# Altium PCB Enigma Rev B.PcbDoc (part 3 of 8) (continued)
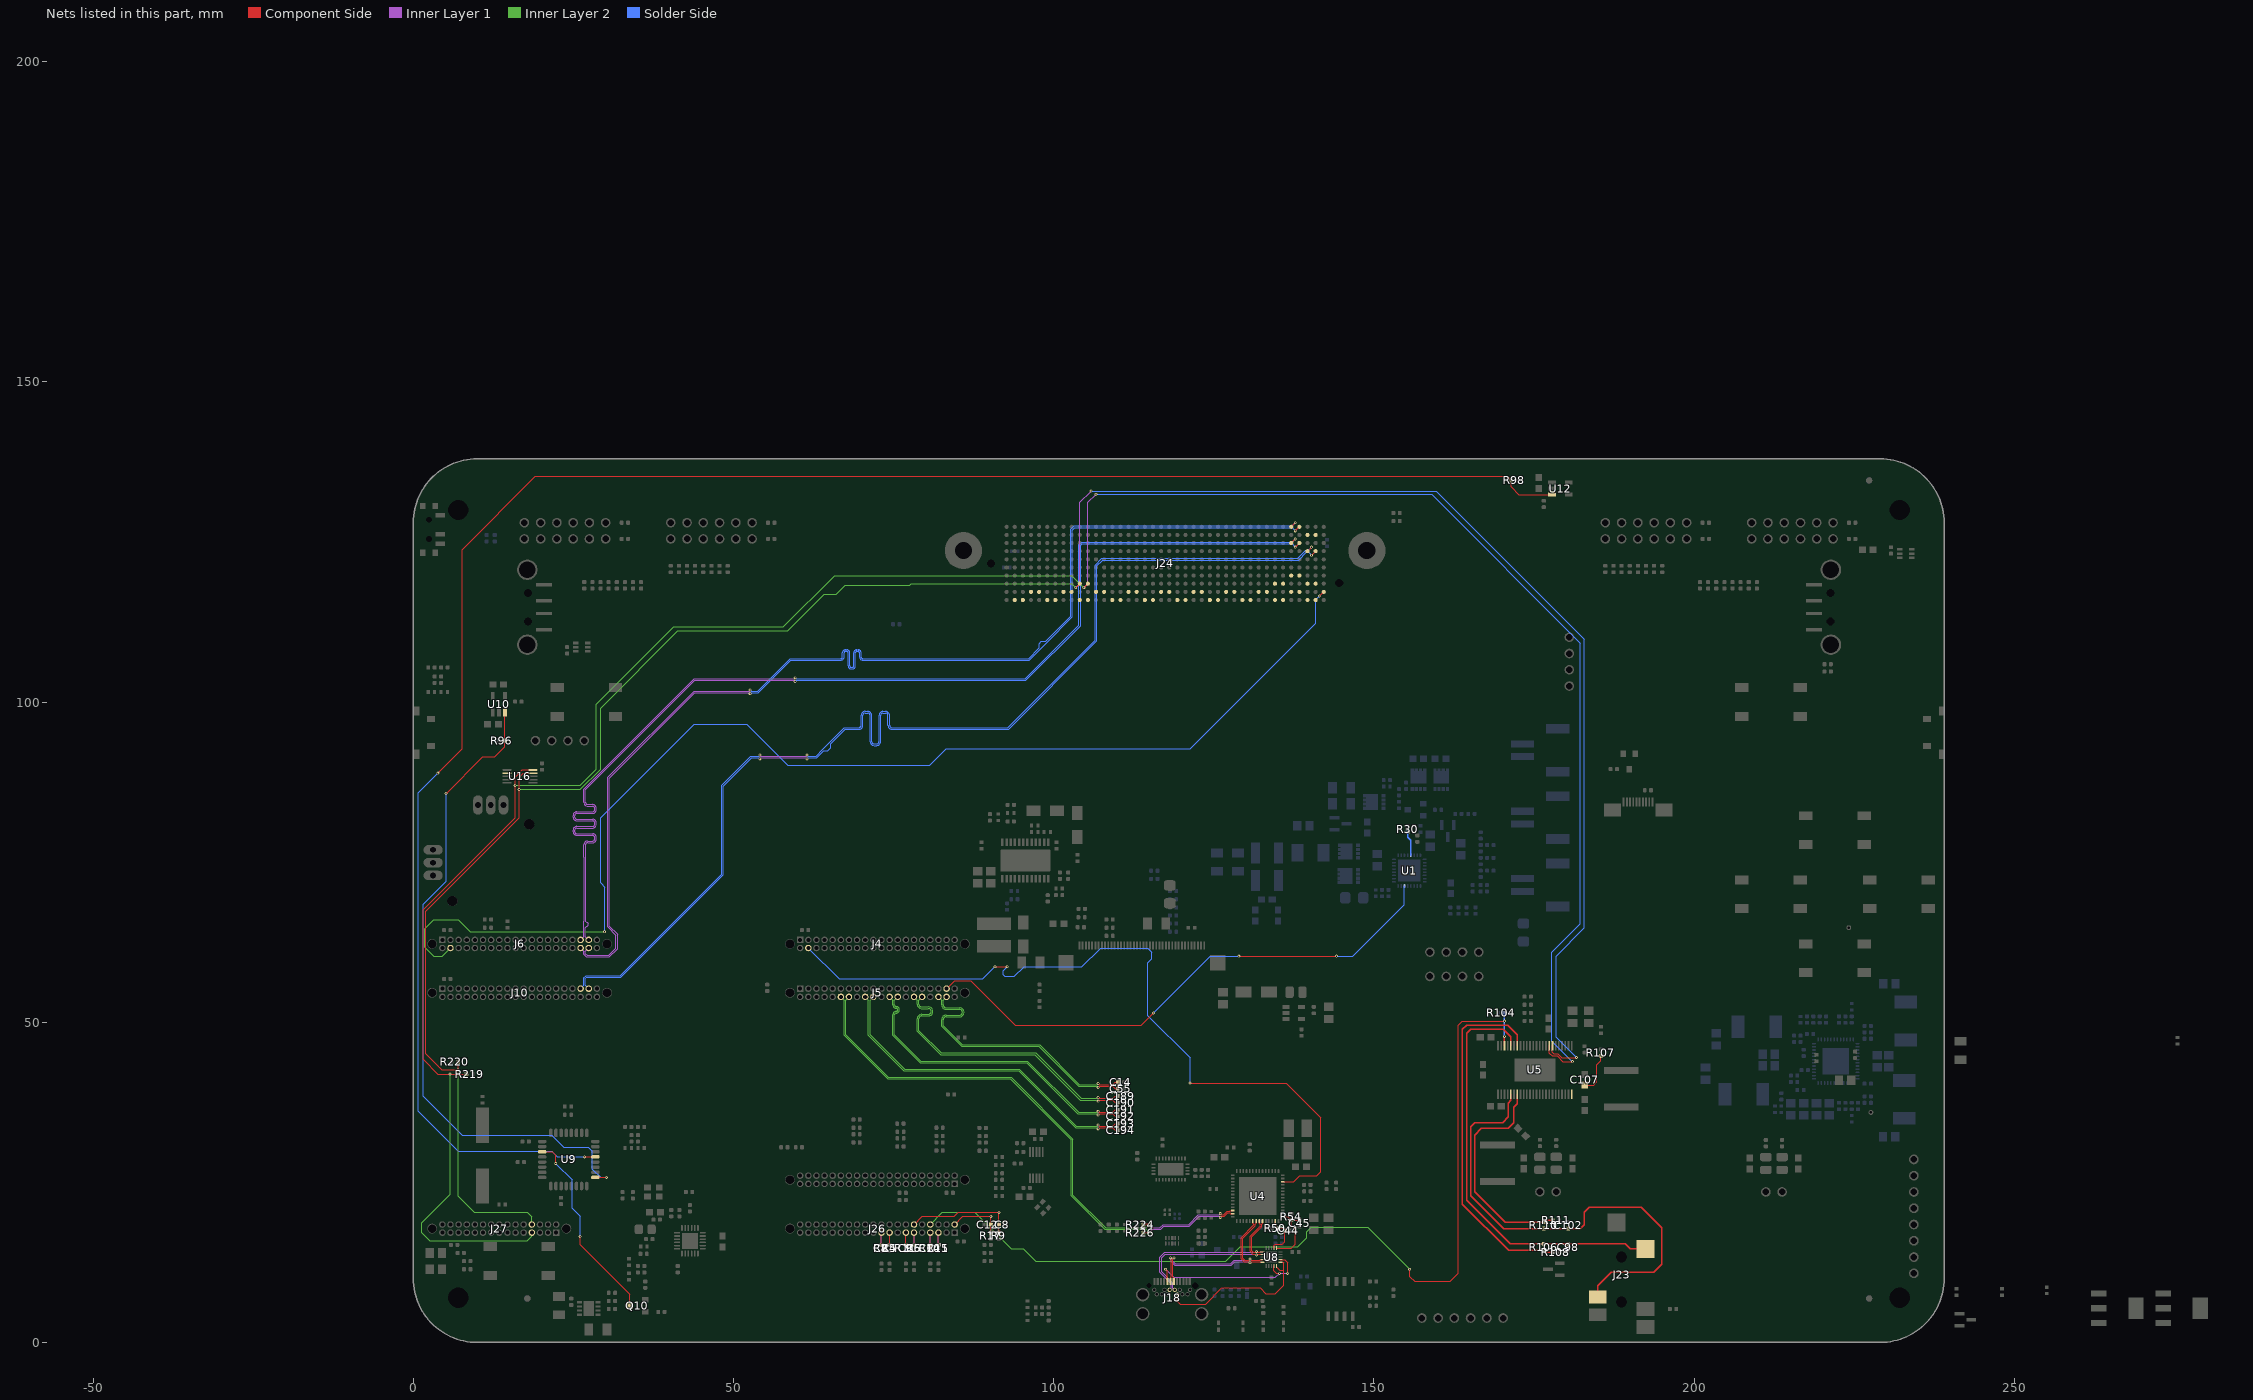
[diagram p7: the nets of this part, all layers, seen from the top]
## Part data (continued)
U20: "IC LOAD SWITCH CURR LIMIT 8-MLP", Current - Output (Max)=2A, Manufacturer="Fairchild Semiconductor", Manufacturer Part Number=FPF2700MPX, Operating Temperature="-40°C ~ 85°C (TA)", Package / Case="8-WDFN Exposed Pad", Supplier Device Package="8-MLP (3x3)", Supplier Part Number 1=FPF2700MPXCT-ND, Voltage - Load="2.8 V ~ 36 V", Voltage - Supply (Vcc/Vdd)="Not Required", Category="Integrated Circuits (ICs)", ComponentLink1Description=http://www.fairchildsemi.com/datasheets/FP/FPF2700.pdf, ComponentLink1URL=http://www.fairchildsemi.com/datasheets/FP/FPF2700.pdf, Fault Protection="Current Limiting (Adjustable), Over Temperature, UVLO", Features="Auto Restart, Power Good, Slew Rate Controlled, Status Flag", Input Type=Non-Inverting, Interface=On/Off, Number of Outputs=1, Output Configuration="High Side", Output Type=N-Channel, Packaging="Cut Tape (CT)", Pricing 1="1=2.71, 10=2.43, 100=1.9491, 500=1.602, 1000=1.3261 (USD)", Ratio - Input:Output=1:1, Rds On (Typ)="88 mOhm", RoHS="RoHS Compliant", Stock 1=7665, Supplier 1=Digi-Key, Switch Type="General Purpose"
U21: "IC REG BUCK ADJ 4A/2A QD 48VQFN", Current - Output="4A, 2A", Frequency - Switching="275kHz ~ 2.2MHz", Manufacturer="Texas Instruments", Manufacturer Part Number=TPS65400RGZR, Operating Temperature="-40°C ~ 125°C (TJ)", Package / Case="48-VFQFN Exposed Pad", Supplier Device Package="48-VQFN (7x7)", Supplier Part Number 1=296-40902-1-ND, Voltage - Input (Max)=18V, Voltage - Input (Min)=4.5V, Voltage - Output (Max)=16.2V, Voltage - Output (Min/Fixed)=0.6V, Category="Integrated Circuits (ICs)", ComponentLink1Description=http://www.ti.com/lit/ds/symlink/tps65400.pdf, ComponentLink1URL=http://www.ti.com/lit/ds/symlink/tps65400.pdf, Function=Step-Down, Mounting Type="Surface Mount", Number of Outputs=4, Output Configuration=Positive, Output Type=Adjustable, Packaging="Cut Tape (CT)", Part Status=Active, Pricing 1="1=5.16, 10=4.633, 100=3.7961, 500=3.23152, 1000=2.72538 (USD)", RoHS="RoHS Compliant", Stock 1=2343, Supplier 1=Digi-Key, Synchronous Rectifier=Yes, Topology=Buck
U22 U23: library part U_LD117STR, "IC REG LDO ADJ 950MA SOT-223", Current - Limit (Min)=-, Current - Output=950mA, Manufacturer=STMicroelectronics, Manufacturer Part Number=LD1117STR, Operating Temperature="0°C ~ 125°C", Package / Case="TO-261-4, TO-261AA", Supplier Device Package=SOT-223, Supplier Part Number 1=497-1244-1-ND, Voltage - Dropout (Typical)="1.1V @ 800mA", Voltage - Input="Up to 15V", Voltage - Output="1.25 V ~ 15 V", Category="Integrated Circuits (ICs)", ComponentLink1Description=http://www.st.com/internet/com/TECHNICAL_RESOURCES/TECHNICAL_LITERATURE/DATASHEET/CD00000544.pdf, ComponentLink1URL=http://www.st.com/internet/com/TECHNICAL_RESOURCES/TECHNICAL_LITERATURE/DATASHEET/CD00000544.pdf, Mounting Type="Surface Mount", Number of Regulators=1, Packaging="Cut Tape (CT)", Pricing="1=0.54, 10=0.436, 100=0.3267, 250=0.28216, 500=0.24256, 1000=0.1881 (USD)", Regulator Topology="Positive Adjustable", RoHS="RoHS Compliant", Stock 1=16599, Supplier 1=Digi-Key
Y1: library part Y_SMD_6.00MHZ_18PF, "CRYSTAL 6.0000MHZ 18PF SMD", ESR (Equivalent Series Resistance)="100 Ohm", Frequency=6MHz, Frequency Stability=±50ppm, Load Capacitance=18pF, Manufacturer="Abracon LLC", Manufacturer Part Number=ABLS-6.000MHZ-D-T, Operating Mode=Fundamental, Operating Temperature="-40°C ~ 85°C", Package / Case=HC49/US, Ratings=-, Supplier Part Number 1=535-13443-1-ND, Category="Crystals, Oscillators, Resonators", ComponentLink1Description=http://www.abracon.com/Resonators/abls.pdf, ComponentLink1URL=http://www.abracon.com/Resonators/abls.pdf, Frequency Tolerance=±50ppm, Height - Seated (Max)="0.165\" (4.20mm)", Mounting Type="Surface Mount", Packaging="Cut Tape (CT)", Part Status=Active, Pricing 1="1=0.28, 10=0.231, 50=0.208, 100=0.1848, 500=0.17556 (USD)", RoHS="RoHS Compliant", Size / Dimension="0.449\" L x 0.185\" W (11.40mm x 4.70mm)", Stock 1=186, Supplier 1=Digi-Key, Type="MHz Crystal"
Y2: library part Y_XTAL_27MHZ_SMD, "XTAL 27.00 MHZ 6PF 150OHM 20PPM 2.0X1.6MM", Capacitance=6PF, ESR (Equivalent Series Resistance)="150 Ohm", Frequency=27MHz, Frequency Stability=±20ppm, Load Capacitance=6pF, Manufacturer=Murata, Operating Mode=Fundamental, Operating Temperature="-30°C ~ 85°C", Package / Case="4-SMD, No Lead (DFN, LCC)", Ratings=-, Supplier Part Number 1=490-9765-1-ND, TEMPERATURE=-30/85C, Tolerance=20PPM, Category="Crystals and Oscillators", ComponentLink1Description=http://www.murata.com/~/media/webrenewal/support/library/catalog/products/timingdevice/crystalu/p79e.ashx, ComponentLink1URL=http://www.murata.com/~/media/webrenewal/support/library/catalog/products/timingdevice/crystalu/p79e.ashx, ESR=ESR=150OHMS, Frequency Tolerance=±20ppm, Height="0.028\" (0.70mm)", Manufacturer Part Number=XRCGB27M000F2P00R0, Mounting Type="Surface Mount", Packaging="Cut Tape (CT)", Part Status=Active, Pricing 1="1=0.6, 10=0.5, 50=0.4484, 100=0.399, 500=0.38, 1000=0.3192 (USD)", RoHS="RoHS Compliant", Size / Dimension="0.079\" L x 0.063\" W (2.00mm x 1.60mm)", Stock 1=2678, Supplier 1=Digi-Key, Type="MHz Crystal"

## Via types
v1: diameter 0.457, hole 0.203, Component Side to Solder Side, tented top, 1031 vias
v2: diameter 0.5, hole 0.2, Component Side to Solder Side, 55 vias
v3: diameter 0.457, hole 0.203, Component Side to Solder Side, 9 vias
v4: diameter 0.5, hole 0.2, Component Side to Solder Side, tented both sides, 6 vias

## Nets (pads, with @x,y where several pads share a name; then routed paths per layer and width w, separated by ;. In a path a pad name is that pad's centre, name@x,y a point inside that pad or via, vN(x,y) a via of type N, cw(c..) or ccw(c..) an arc to the next point about the centre after c; other vN are vias at no path point)
ACFET: R30.1 U1.29 | length 3.8
  Solder Side w0.203: R30.1@155.271,79.679 155.271,78.929 155.771,78.429 U1.29@155.771,76.079
ADC_READY: U16.2
ALERT: J5.37 U1.14 | length 85.7
  Component Side w0.127: J5.37@83.251,55.245 84.521,56.515 86.995,56.515 93.98,49.53 113.665,49.53 v1(115.57,51.435) ; v1(128.905,60.325) v1(144.145,60.325)
  Solder Side w0.127: v1(115.57,51.435) 124.46,60.325 v1(128.905,60.325) ; v1(144.145,60.325) 146.726,60.325 154.771,68.37 U1.14@154.771,71.279
AUDIO_GVDD: C107.2 R107.1 U5.48 | length 6.5
  Component Side w0.127: C107.2@182.908,40.167 184.305,40.167 184.813,40.675 184.813,43.342 185.448,43.977 R107.1@185.448,44.755
AUX_N: J5.12 R226.2 U4.55 | length 87.2
  Component Side w0.127: v1(126,19.531) 126,19.596 126.1,19.696 126.646,19.696 127.173,20.223 127.464,20.223 127.587,20.1 U4.55@127.95,20.1
  Component Side w0.254: R226.2@114.03,17.145 v1(114.935,17.145)
  Inner Layer 1 w0.127: v1(114.935,17.145) 115.443,17.653 116.691,17.653 117.199,18.161 121.17,18.161 122.705,19.696 125.835,19.696 v1(126,19.531)
  Inner Layer 2 w0.127: J5.12@66.741,53.975 67.249,53.467 67.249,47.962 74.063,41.148 93.218,41.148 102.743,31.623 102.743,22.882 107.972,17.653 114.427,17.653 v1(114.935,17.145)
AUX_P: J5.14 R224.1 U4.54 | length 86.8
  Component Side w0.127: v1(126,20.115) 126,20.05 126.1,19.95 126.541,19.95 127.068,20.477 127.464,20.477 127.587,20.6 U4.54@127.95,20.6
  Component Side w0.254: R224.1@114.03,18.415 v1(114.935,18.415)
  Inner Layer 1 w0.127: v1(114.935,18.415) 115.443,17.907 116.586,17.907 117.094,18.415 121.065,18.415 122.6,19.95 125.835,19.95 v1(126,20.115)
  Inner Layer 2 w0.127: J5.14@68.011,53.975 67.503,53.467 67.503,48.067 74.168,41.402 93.323,41.402 102.997,31.728 102.997,22.987 108.077,17.907 114.427,17.907 v1(114.935,18.415)
BTN_BOTTOM: C12.2 J26.2 R17.1 | length 8.7
  Component Side w0.127: J26.2@84.521,18.415 85.791,19.685 v1(90.17,19.685) C12.2@90.17,18.415 R17.1@90.17,17.145
BTN_LEFT: C10.2 J26.7 R14.1 | length 3.8
  Component Side w0.127: R14.1@80.711,15.24 J26.7@80.711,17.145
  Solder Side w0.127: C10.2@80.711,15.24 J26.7@80.711,17.145
BTN_LEFT_SEL: C5.2 J26.17 R4.1 | length 3.8
  Component Side w0.127: R4.1@74.361,15.24 J26.17@74.361,17.145
  Solder Side w0.127: C5.2@74.361,15.24 J26.17@74.361,17.145
BTN_LEFT_SHLDR: C7.2 J26.19 R8.1 | length 3.8
  Component Side w0.127: R8.1@73.091,15.24 J26.19@73.091,17.145
  Solder Side w0.127: C7.2@73.091,15.24 J26.19@73.091,17.145
BTN_RIGHT: C11.2 J26.5 R15.1 | length 3.8
  Component Side w0.127: R15.1@81.981,15.24 J26.5@81.981,17.145
  Solder Side w0.127: C11.2@81.981,15.24 J26.5@81.981,17.145
BTN_RIGHT_SEL: C6.2 J26.11 R5.1 | length 3.8
  Component Side w0.127: R5.1@78.171,15.24 J26.11@78.171,17.145
  Solder Side w0.127: C6.2@78.171,15.24 J26.11@78.171,17.145
BTN_RIGHT_SHLDR: C8.2 J26.12 R9.1 | length 17.2
  Component Side w0.127: J26.12@78.171,18.415 79.441,19.685 84.455,19.685 85.09,20.32 v1(91.44,20.32) C8.2@91.44,18.415 R9.1@91.44,17.145
BTN_TOP: C9.2 J26.13 R11.1 | length 3.8
  Component Side w0.127: R11.1@76.901,15.24 J26.13@76.901,17.145
  Solder Side w0.127: C9.2@76.901,15.24 J26.13@76.901,17.145
C_CC1: C44.2 R50.2 U4.13 U8.12 | length 6.5
  Component Side w0.127: U8.12@134.385,14.735 134.385,15.135 134.6,15.35 135.7,15.35 136.1,15.75 C44.2@136.1,17.45 135.7,17.85 R50.2@135.1,17.85 134.6,18.35 U4.13@134.6,18.95
C_CC2: C45.2 R54.2 U4.15 U8.11 | length 10
  Component Side w0.127: U8.11@134.785,14.735 137.085,14.735 137.7,15.35 137.7,17.762 137.1,18.362 R54.2@137.1,19.1 ; U4.15@135.75,19.6 136.55,19.6 137.05,19.1 R54.2@137.1,19.1 ; C45.2@138.4,19.1 R54.2@137.1,19.1
C_USB_B_N: J18.B7 U4.9 U8.16 | length 28.6
  Component Side w0.127: U8.16@132.585,14.135 132.222,14.135 132.148,14.062 131.8,14.062 v1(131.635,14.227) 131.47,14.062 131.188,14.062 130.9,14.35 130.9,16.468 132.477,18.045 132.477,18.464 132.6,18.587 U4.9@132.6,18.95
  Inner Layer 1 w0.127: J18.B7@118.087,8.215 118.36,8.488 118.36,9.148 116.586,10.922 116.586,13.313 117.335,14.062 131.47,14.062 v1(131.635,14.227)
C_USB_B_P: J18.B6 U4.8 U8.17 | length 28.6
  Component Side w0.127: U4.8@132.1,18.95 132.1,18.587 132.223,18.464 132.223,18.15 130.646,16.573 130.646,14.245 131.083,13.808 131.47,13.808 v1(131.635,13.643) 131.8,13.808 132.148,13.808 132.222,13.735 U8.17@132.585,13.735
  Inner Layer 1 w0.127: J18.B6@118.887,8.215 118.614,8.488 118.614,9.253 116.84,11.027 116.84,13.208 117.44,13.808 131.47,13.808 v1(131.635,13.643)
C_USB_T_N: J18.A7 U4.7 U8.19 | length 26.9
  Component Side w0.127: J18.A7@118.737,9.525 118.737,10.154 118.614,10.276 118.614,13.043 v1(118.779,13.208) ; U4.7@131.6,18.95 131.6,18.587 131.477,18.464 131.477,18.245 129.5,16.268 129.5,13.15 129.788,12.862 130.48,12.862 v1(130.645,13.027) 130.81,12.862 132.148,12.862 132.222,12.935 U8.19@132.585,12.935
  Inner Layer 1 w0.127: v1(118.779,13.208) 118.614,13.043 118.614,12.704 118.999,12.319 127.635,12.319 128.178,12.862 130.48,12.862 v1(130.645,13.027)
C_USB_T_P: J18.A6 U4.6 U8.20 | length 27.7
  Component Side w0.127: v1(118.195,13.208) 118.36,13.043 118.36,10.276 118.237,10.154 J18.A6@118.237,9.525 ; U4.6@131.1,18.95 131.1,18.587 131.223,18.464 131.223,18.35 129.246,16.373 129.246,13.045 129.683,12.608 130.48,12.608 v1(130.645,12.443) 130.81,12.608 132.148,12.608 132.222,12.535 U8.20@132.585,12.535
  Inner Layer 1 w0.127: v1(118.195,13.208) 118.36,13.043 118.36,12.599 118.819,12.139 118.894,12.065 127.74,12.065 127.815,12.139 128.283,12.608 130.48,12.608 v1(130.645,12.443)
CC1: J18.A5 U8.4 U8.7 | length 26.6
  Component Side w0.127: v1(117.475,11.43) 117.737,11.168 J18.A5@117.737,9.525 ; U8.4@134.385,11.935 134.385,11.157 134.747,10.795 v1(135.255,10.795) ; U8.7@135.385,12.935 136.036,12.935 136.525,12.446 v1(136.525,10.795)
  Inner Layer 1 w0.127: v1(117.475,11.43) 118.745,10.16 134.62,10.16 v1(135.255,10.795) v1(136.525,10.795)
CC2: J18.B5 U8.5 U8.6 | length 25.4
  Component Side w0.127: J18.B5@119.287,7.515 119.287,6.443 119.761,5.969 123.698,5.969 126.238,8.509 132.207,8.509 133.096,7.62 134.62,7.62 135.89,8.89 135.89,11.303 ; U8.5@134.785,11.935 134.785,11.773 135.255,11.303 135.89,11.303 ; U8.6@135.385,12.535 135.801,12.535 135.89,12.446 135.89,11.303
CLK0_M2C_N: J6.35 J24.H5 | length 173.9
  Component Side w0.127: J24.H5@137.081,124.841 v1(137.716,125.476)
  Inner Layer 1 w0.127: J6.35@26.101,62.865 26.609,63.373 26.609,65.786 26.609,75.794 26.609,77.724 cw(c27.181,77.724) 27.181,78.296 27.963,78.296 ccw(c27.963,78.626) 28.293,78.626 28.293,78.854 ccw(c27.963,78.854) 27.963,79.185 25.509,79.185 cw(c25.509,79.769) 24.925,79.769 24.925,79.997 cw(c25.509,79.997) 25.509,80.582 27.963,80.582 ccw(c27.963,80.912) 28.293,80.912 28.293,81.14 ccw(c27.963,81.14) 27.963,81.471 25.509,81.471 cw(c25.509,82.055) 24.925,82.055 24.925,82.283 cw(c25.509,82.283) 25.509,82.868 27.963,82.868 ccw(c27.963,83.198) 28.293,83.198 28.293,83.426 ccw(c27.963,83.426) 27.963,83.757 27.193,83.757 cw(c27.193,84.341) 26.609,84.341 26.609,86.404 43.837,103.632 59.436,103.632 v1(59.601,103.797)
  Solder Side w0.127: v1(59.601,103.797) 59.766,103.632 95.552,103.632 103.934,112.014 103.934,124.565 104.008,124.64 104.337,124.968 137.208,124.968 v1(137.716,125.476)
CLK0_M2C_P: J6.37 J24.H4 | length 173.9
  Component Side w0.127: v1(137.716,124.206) J24.H4@138.351,124.841
  Inner Layer 1 w0.127: J6.37@27.371,62.865 26.863,63.373 26.863,64.008 26.863,64.325 26.863,64.77 27.054,64.96 27.106,64.96 27.297,65.151 27.297,65.405 27.106,65.596 27.054,65.596 26.863,65.786 26.863,75.794 26.863,77.724 cw(c27.181,77.724) 27.181,78.042 27.963,78.042 ccw(c27.963,78.626) 28.547,78.626 28.547,78.854 ccw(c27.963,78.854) 27.963,79.439 25.509,79.439 cw(c25.509,79.769) 25.179,79.769 25.179,79.997 cw(c25.509,79.997) 25.509,80.328 27.963,80.328 ccw(c27.963,80.912) 28.547,80.912 28.547,81.14 ccw(c27.963,81.14) 27.963,81.725 25.509,81.725 cw(c25.509,82.055) 25.179,82.055 25.179,82.283 cw(c25.509,82.283) 25.509,82.614 27.963,82.614 ccw(c27.963,83.198) 28.547,83.198 28.547,83.426 ccw(c27.963,83.426) 27.963,84.01 27.193,84.01 cw(c27.193,84.341) 26.863,84.341 26.863,86.299 43.942,103.378 59.436,103.378 v1(59.601,103.213)
  Solder Side w0.127: v1(59.601,103.213) 59.766,103.378 95.657,103.378 104.188,111.909 104.188,124.46 104.442,124.714 137.208,124.714 v1(137.716,124.206)
CLK1_M2C_N: J10.35 J24.G3 | length 173.2
  Component Side w0.127: J24.G3@139.621,123.571 v1(140.256,124.206)
  Inner Layer 1 w0.127: v1(54.102,91.732) 54.267,91.567 61.303,91.567 v1(61.468,91.732)
  Solder Side w0.127: J10.35@26.101,55.245 26.609,55.753 26.609,56.94 26.946,57.277 32.28,57.277 48.133,73.13 48.133,86.995 52.705,91.567 53.975,91.567 54.102,91.694 v1(54.102,91.732) ; v1(61.468,91.732) 61.468,91.694 61.595,91.567 62.865,91.567 63.902,92.604 64.971,93.673 67.31,96.012 69.552,96.012 ccw(c69.552,96.374) 69.913,96.374 69.913,97.936 cw(c70.529,97.936) 70.529,98.552 70.949,98.552 cw(c70.949,97.936) 71.564,97.936 71.564,93.834 ccw(c71.926,93.834) 71.926,93.472 72.346,93.472 ccw(c72.346,93.834) 72.707,93.834 72.707,97.936 cw(c73.323,97.936) 73.323,98.552 73.743,98.552 cw(c73.743,97.936) 74.358,97.936 74.358,96.374 ccw(c74.72,96.374) 74.72,96.012 92.837,96.012 106.474,109.649 106.474,121.39 107.512,122.428 138.119,122.428 139.389,123.698 139.748,123.698 v1(140.256,124.206)
CLK1_M2C_P: J10.37 J24.G2 | length 173.2
  Component Side w0.127: v1(140.256,122.936) J24.G2@140.891,123.571
  Inner Layer 1 w0.127: v1(54.102,91.148) 54.267,91.313 61.303,91.313 v1(61.468,91.148)
  Solder Side w0.127: J10.37@27.371,55.245 26.863,55.753 26.863,56.835 27.051,57.023 32.385,57.023 48.387,73.025 48.387,86.89 52.81,91.313 53.975,91.313 54.102,91.186 v1(54.102,91.148) ; v1(61.468,91.148) 61.468,91.186 61.595,91.313 62.97,91.313 64.081,92.424 64.738,92.424 65.151,92.837 65.151,93.494 67.415,95.758 69.552,95.758 ccw(c69.552,96.374) 70.167,96.374 70.167,97.936 cw(c70.529,97.936) 70.529,98.298 70.949,98.298 cw(c70.949,97.936) 71.31,97.936 71.31,93.834 ccw(c71.926,93.834) 71.926,93.218 72.346,93.218 ccw(c72.346,93.834) 72.961,93.834 72.961,97.936 cw(c73.323,97.936) 73.323,98.298 73.743,98.298 cw(c73.743,97.936) 74.104,97.936 74.104,96.374 ccw(c74.72,96.374) 74.72,95.758 92.942,95.758 106.728,109.544 106.728,121.285 107.617,122.174 138.224,122.174 139.494,123.444 139.748,123.444 v1(140.256,122.936)
CLK2_BIDIR_N: J6.38 J24.K5 | length 173.9
  Component Side w0.127: J24.K5@137.081,127.381 v1(137.716,128.016)
  Inner Layer 1 w0.127: J6.38@27.371,61.595 26.863,61.087 26.863,60.706 27.117,60.452 30.48,60.452 31.623,61.595 31.623,63.627 30.353,64.897 30.353,88.243 43.837,101.727 52.413,101.727 v1(52.578,101.892)
  Solder Side w0.127: v1(52.578,101.892) 52.743,101.727 53.743,101.727 58.823,106.807 66.764,106.807 ccw(c66.764,107.036) 66.992,107.036 66.992,107.706 cw(c67.475,107.706) 67.475,108.189 67.653,108.189 cw(c67.653,107.706) 68.135,107.706 68.135,105.654 ccw(c68.364,105.654) 68.364,105.425 68.542,105.425 ccw(c68.542,105.654) 68.77,105.654 68.77,107.706 cw(c69.253,107.706) 69.253,108.189 69.431,108.189 cw(c69.431,107.706) 69.913,107.706 69.913,107.036 ccw(c70.142,107.036) 70.142,106.807 96.06,106.807 97.711,108.458 97.711,109.141 98.044,109.474 98.727,109.474 102.664,113.411 102.664,126.978 102.738,127.053 103.194,127.508 137.208,127.508 v1(137.716,128.016)
CLK2_BIDIR_P: J6.36 J24.K4 | length 173.9
  Component Side w0.127: v1(137.716,126.746) J24.K4@138.351,127.381
  Inner Layer 1 w0.127: J6.36@26.101,61.595 26.609,61.087 26.609,60.601 27.012,60.198 30.585,60.198 31.803,61.415 31.877,61.49 31.877,63.732 31.803,63.807 30.607,65.002 30.607,88.138 43.942,101.473 52.413,101.473 v1(52.578,101.308)
  Solder Side w0.127: v1(52.578,101.308) 52.743,101.473 53.848,101.473 58.928,106.553 66.764,106.553 ccw(c66.764,107.036) 67.246,107.036 67.246,107.706 cw(c67.475,107.706) 67.475,107.935 67.653,107.935 cw(c67.653,107.706) 67.881,107.706 67.881,105.654 ccw(c68.364,105.654) 68.364,105.171 68.542,105.171 ccw(c68.542,105.654) 69.024,105.654 69.024,107.706 cw(c69.253,107.706) 69.253,107.935 69.431,107.935 cw(c69.431,107.706) 69.659,107.706 69.659,107.036 ccw(c70.142,107.036) 70.142,106.553 96.165,106.553 97.891,108.278 98.907,109.294 102.918,113.306 102.918,126.873 103.299,127.254 137.208,127.254 v1(137.716,126.746)
CLK3_BIDIR_N: J24.J3
CLK3_BIDIR_P: J24.J2
CLK_DIR: J6.4 J24.B1 | length 190.5
  Component Side w0.127: v1(141.526,116.586) J24.B1@142.161,117.221
  Inner Layer 2 w0.127: J6.4@5.781,61.595 4.511,60.325 3.175,60.325 1.778,61.722 1.778,64.643 3.175,66.04 6.985,66.04 8.89,64.135 v1(29.845,64.135)
  Solder Side w0.127: v1(29.845,64.135) 29.845,71.12 29.21,71.755 29.21,81.915 43.815,96.52 52.07,96.52 58.42,90.17 80.645,90.17 83.185,92.71 121.285,92.71 140.891,112.316 140.891,115.951 v1(141.526,116.586)
DP0_C2M_N: J24.C3
DP0_C2M_P: J24.C2
DP0_M2C_N: J24.C7
DP0_M2C_P: J24.C6
DP0PUR: Q10.3 U9.27 | length 30.6
  Component Side w0.127: U9.27@20.107,29.775 21.66,29.775 22.225,29.21 v1(22.225,27.94) ; v1(26.035,16.51) 26.035,15.24 33.782,7.493 Q10.3@33.782,5.715
  Solder Side w0.127: v1(22.225,27.94) 24.765,25.4 24.765,20.955 26.035,19.685 v1(26.035,16.51)
DP1_C2M_N: J24.A23
DP1_C2M_P: J24.A22
DP1_M2C_N: J24.A3
DP1_M2C_P: J24.A2
DP1_TX0_N: C14.1 J5.38 | length 41.6
  Component Side w0.127: v1(106.934,40.424) 107.099,40.259 109.246,40.259 109.627,40.64 C14.1@109.99,40.64
  Inner Layer 2 w0.127: J5.38@83.251,53.975 82.743,53.467 82.743,52.705 ccw(c83.187,52.705) 83.187,52.261 85.301,52.261 cw(c85.301,51.562) 86,51.562 cw(c85.301,51.562) 85.301,50.863 83.187,50.863 ccw(c83.187,50.419) 82.743,50.419 82.743,49.464 85.725,46.482 97.79,46.482 104.013,40.259 106.769,40.259 v1(106.934,40.424)
DP1_TX0_P: C55.1 J5.36 | length 42
  Component Side w0.127: v1(106.934,39.84) 107.099,40.005 109.246,40.005 109.627,39.624 C55.1@109.99,39.624
  Inner Layer 2 w0.127: J5.36@81.981,53.975 82.489,53.467 82.489,52.705 ccw(c83.187,52.705) 83.187,52.006 85.301,52.006 cw(c85.301,51.562) 85.746,51.562 cw(c85.301,51.562) 85.301,51.117 83.187,51.117 ccw(c83.187,50.419) 82.489,50.419 82.489,49.359 85.62,46.228 97.685,46.228 103.908,40.005 106.769,40.005 v1(106.934,39.84)
DP1_TX1_N: C189.1 J5.32 | length 44.6
  Component Side w0.127: v1(106.934,38.265) 107.099,38.1 109.246,38.1 109.627,38.481 C189.1@109.99,38.481
  Inner Layer 2 w0.127: J5.32@79.441,53.975 78.933,53.467 78.933,52.832 ccw(c79.377,52.832) 79.377,52.387 80.418,52.387 cw(c80.418,51.689) 81.116,51.689 cw(c80.418,51.689) 80.418,50.99 79.377,50.99 ccw(c79.377,50.546) 78.933,50.546 78.933,48.702 82.423,45.212 97.155,45.212 104.267,38.1 106.769,38.1 v1(106.934,38.265)
DP1_TX1_P: C190.1 J5.30 | length 45
  Component Side w0.127: v1(106.934,37.681) 107.099,37.846 109.246,37.846 109.627,37.465 C190.1@109.99,37.465
  Inner Layer 2 w0.127: J5.30@78.171,53.975 78.679,53.467 78.679,52.832 ccw(c79.377,52.832) 79.377,52.133 80.418,52.133 cw(c80.418,51.689) 80.862,51.689 cw(c80.418,51.689) 80.418,51.244 79.377,51.244 ccw(c79.377,50.546) 78.679,50.546 78.679,48.597 82.318,44.958 97.05,44.958 104.162,37.846 106.769,37.846 v1(106.934,37.681)
DP1_TX2_N: C191.1 J5.26 | length 47.2
  Component Side w0.127: v1(106.934,36.106) 107.099,35.941 109.246,35.941 109.627,36.322 C191.1@109.99,36.322
  Inner Layer 2 w0.127: J5.26@75.631,53.975 75.123,53.467 75.123,52.705 ccw(c75.377,52.705) 75.377,52.451 cw(c75.377,51.943) 75.885,51.943 cw(c75.377,51.943) 75.377,51.435 ccw(c75.377,51.181) 75.123,51.181 75.123,48.067 79.248,43.942 95.885,43.942 103.886,35.941 106.769,35.941 v1(106.934,36.106)
DP1_TX2_P: C192.1 J5.24 | length 47.6
  Component Side w0.127: v1(106.934,35.522) 107.099,35.687 109.246,35.687 109.627,35.306 C192.1@109.99,35.306
  Inner Layer 2 w0.127: J5.24@74.361,53.975 74.869,53.467 74.869,52.705 ccw(c75.377,52.705) 75.377,52.197 cw(c75.377,51.943) 75.631,51.943 cw(c75.377,51.943) 75.377,51.689 ccw(c75.377,51.181) 74.869,51.181 74.869,47.962 79.143,43.688 95.78,43.688 103.781,35.687 106.769,35.687 v1(106.934,35.522)
DP1_TX3_N: C193.1 J5.20 | length 51
  Component Side w0.127: v1(106.934,33.947) 107.099,33.782 109.246,33.782 109.627,34.163 C193.1@109.99,34.163
  Inner Layer 2 w0.127: J5.20@71.821,53.975 71.313,53.467 71.313,48.067 76.708,42.672 94.615,42.672 103.505,33.782 106.769,33.782 v1(106.934,33.947)
DP1_TX3_P: C194.1 J5.18 | length 51.4
  Component Side w0.127: v1(106.934,33.363) 107.099,33.528 109.246,33.528 109.627,33.147 C194.1@109.99,33.147
  Inner Layer 2 w0.127: J5.18@70.551,53.975 71.059,53.467 71.059,47.962 76.603,42.418 94.51,42.418 103.4,33.528 106.769,33.528 v1(106.934,33.363)
DP2_C2M_N: J24.A27
DP2_C2M_P: J24.A26
DP2_M2C_N: J24.A7
DP2_M2C_P: J24.A6
DP3_C2M_N: J24.A31
DP3_C2M_P: J24.A30
DP3_M2C_N: J24.A11
DP3_M2C_P: J24.A10
DP4_C2M_N: J24.A35
DP4_C2M_P: J24.A34
DP4_M2C_N: J24.A15
DP4_M2C_P: J24.A14
DP5_C2M_N: J24.A39
DP5_C2M_P: J24.A38
DP5_M2C_N: J24.A19
DP5_M2C_P: J24.A18
DP6_C2M_N: J24.B37
DP6_C2M_P: J24.B36
DP6_M2C_N: J24.B17
DP6_M2C_P: J24.B16
DP7_C2M_N: J24.B33
DP7_C2M_P: J24.B32
DP7_M2C_N: J24.B13
DP7_M2C_P: J24.B12
DP8_C2M_N: J24.B29
DP8_C2M_P: J24.B28
DP8_M2C_N: J24.B9
DP8_M2C_P: J24.B8
DP9_C2M_N: J24.B25
DP9_C2M_P: J24.B24
DP9_M2C_N: J24.B5
DP9_M2C_P: J24.B4
DP_HPD: J4.4 U4.26 | length 122
  Component Side w0.127: v1(90.805,58.674) v1(92.71,58.674) ; v1(121.285,40.513) 136.271,40.513 141.732,35.052 141.732,26.67 141.097,26.035 138.43,26.035 137.495,25.1 U4.26@135.75,25.1
  Solder Side w0.127: J4.4@61.661,61.595 66.487,56.769 88.9,56.769 v1(90.805,58.674) ; v1(92.71,58.674) 92.075,58.039 92.075,57.404 92.329,57.15 93.853,57.15 95.377,58.674 104.394,58.674 107.315,61.595 114.681,61.595 115.316,60.96 115.316,59.944 114.681,59.309 114.681,51.054 121.285,44.45 v1(121.285,40.513)
DR_MUTE_N: J26.8 R104.1 U5.22 | length 145.2
  Component Side w0.127: v1(155.575,11.43) 155.575,10.287 156.337,9.525 161.925,9.525 163.195,10.795 163.195,49.53 163.83,50.165 v1(170.383,50.165)
  Component Side w0.203: U5.22@170.383,46.32 v1(170.383,47.795)
  Inner Layer 2 w0.127: J26.8@80.711,18.415 82.616,20.32 87.63,20.32 93.345,14.605 95.25,14.605 97.155,12.7 126.85,12.7 129.1,14.95 138.1,14.95 139.5,16.35 139.5,17.25 140.2,17.95 149.055,17.95 v1(155.575,11.43)
  Solder Side w0.203: v1(170.383,47.795) v1(170.383,50.165) R104.1@170.383,51.47
DRA_N: R106.2 R108.2 U5.18 | length 55.6
  Component Side w0.203: U5.18@172.383,46.32 172.383,48.025 170.878,49.53 164.465,49.53 163.83,48.895 163.83,21.59 171.047,14.373 R106.2@176.53,14.373 176.8,14.103 R108.2@177.927,14.103
DRA_P: C98.2 J23.2 R106.1 U5.20 | length 66.1
  Component Side w0.203: U5.20@171.383,46.32 171.383,47.755 170.208,48.93 165.128,48.93 164.465,48.267 164.465,22.225 171.317,15.373 R106.1@176.53,15.373 ; R106.1@176.665,15.373 C98.2@180.332,15.373 189.23,15.373 189.99,14.613 J23.2@192.405,14.613
DRB_N: R110.2 R111.2 U5.31 | length 34.7
  Component Side w0.203: U5.31@172.383,38.77 172.383,37.262 171.859,36.738 171.859,34.325 170.97,33.436 166.779,33.436 165.735,32.392 165.735,23.558 170.513,18.78 R110.2@176.538,18.78 176.808,19.05 R111.2@177.935,19.05
DRB_P: C102.2 J23.3 R110.1 U5.29 | length 75.6
  Component Side w0.203: U5.29@171.383,38.77 171.383,37.786 170.97,37.373 170.97,35.214 170.081,34.325 165.763,34.325 165.1,33.662 165.1,22.923 170.243,17.78 R110.1@176.538,17.78 C102.2@180.34,17.78 182.245,17.78 182.88,18.415 182.88,20.32 183.648,21.088 191.77,21.088 194.945,17.913 194.945,12.198 193.675,10.928 187.03,10.928 184.955,8.853 J23.3@184.955,7.113
EN_0_N: R96.1 U9.9 U10.3 | length 103.5
  Component Side w0.127: v1(5.08,85.725) 10.795,91.44 12.7,91.44 14.285,93.025 R96.1@14.285,93.98 U10.3@14.285,98.385 ; U9.9@28.407,25.775 v1(30.125,25.775)
  Solder Side w0.127: v1(5.08,85.725) 5.08,72.009 1.524,68.453 1.524,38.481 7.62,32.385 21.59,32.385 23.495,30.48 27.305,30.48 27.94,29.845 27.94,27.051 29.216,25.775 v1(30.125,25.775)
EN_1_N: R98.1 U9.13 U12.3 | length 297.9
  Component Side w0.127: v1(3.81,88.9) 7.62,92.71 7.62,123.825 19.05,135.255 170.815,135.255 R98.1@171.45,134.62 171.45,133.604 172.654,132.4 U12.3@177.8,132.4 ; v1(26.689,28.975) U9.13@28.407,28.975
  Solder Side w0.127: v1(3.81,88.9) 0.762,85.852 0.762,36.068 6.985,29.845 21.59,29.845 22.46,28.975 v1(26.689,28.975)
FMC_SCL: J24.C30 J27.7 R219.2 U5.8 U16.10 | length 390.7
  Component Side w0.127: R219.2@8.255,41.91 v1(5.715,41.91) 3.81,41.91 1.524,44.196 1.524,67.564 15.875,81.915 15.875,88.265 17.01,89.4 U16.10@18.655,89.4 ; v1(104.696,117.856) J24.C30@105.331,118.491 ; U5.8@177.383,46.32 177.383,45.184 177.828,44.739 178.59,44.739 179.479,43.85 v1(181.003,43.85)
  Inner Layer 1 w0.127: v1(104.696,117.856) 105.331,118.491 105.331,131.191 v1(106.601,132.461)
  Inner Layer 2 w0.127: v1(5.715,41.91) 5.715,23.114 1.27,18.669 1.27,17.145 2.54,15.875 17.78,15.875 18.481,16.576 J27.7@18.481,17.145 ; v1(15.875,86.995) 26.035,86.995 28.575,89.535 28.575,99.695 40.64,111.76 57.785,111.76 65.786,119.761 102.791,119.761 v1(104.696,117.856)
  Solder Side w0.127: v1(106.601,132.461) 159.004,132.461 182.245,109.22 182.245,65.405 177.8,60.96 177.8,47.053 v1(181.003,43.85)
FMC_SDA: J24.C31 J27.8 R220.2 U5.7 U16.9 | length 376.1
  Component Side w0.127: R220.2@6.985,43.815 v1(6.985,42.545) 4.445,42.545 1.905,45.085 1.905,67.31 16.51,81.915 16.51,88.265 17.145,88.9 U16.9@18.655,88.9 ; v1(103.426,117.856) J24.C31@104.061,118.491 ; U5.7@177.883,46.32 177.883,45.319 178.082,45.12 178.717,45.12 179.352,44.485 v1(181.638,44.485)
  Inner Layer 1 w0.127: v1(103.426,117.856) 104.061,118.491 104.061,131.191 v1(105.839,132.969)
  Inner Layer 2 w0.127: v1(6.985,42.545) 6.985,22.86 9.525,20.32 17.78,20.32 18.481,19.619 J27.8@18.481,18.415 ; v1(16.51,86.36) 26.035,86.36 29.21,89.535 29.21,99.06 41.275,111.125 58.42,111.125 64.135,116.84 66.04,116.84 67.437,118.237 77.518,118.237 77.772,118.491 102.791,118.491 v1(103.426,117.856)
  Solder Side w0.127: v1(105.839,132.969) 159.766,132.969 182.88,109.855 182.88,64.77 178.435,60.325 178.435,47.688 v1(181.638,44.485)
GBTCLK0_M2C_N: J24.D5
GBTCLK0_M2C_P: J24.D4
GBTCLK1_M2C_N: J24.B21
GBTCLK1_M2C_P: J24.B20